# Altium PCB hoanchinh.PcbDoc
Units mm, origin at the board's own origin, x right, y up, seen from the top; angles counter-clockwise.
Board outline 68 x 87 mm, 2 copper layers (Top Layer, Bottom Layer), stack 0.533 mm thick; 132 components, 101 nets, 432 pads, 67 vias.
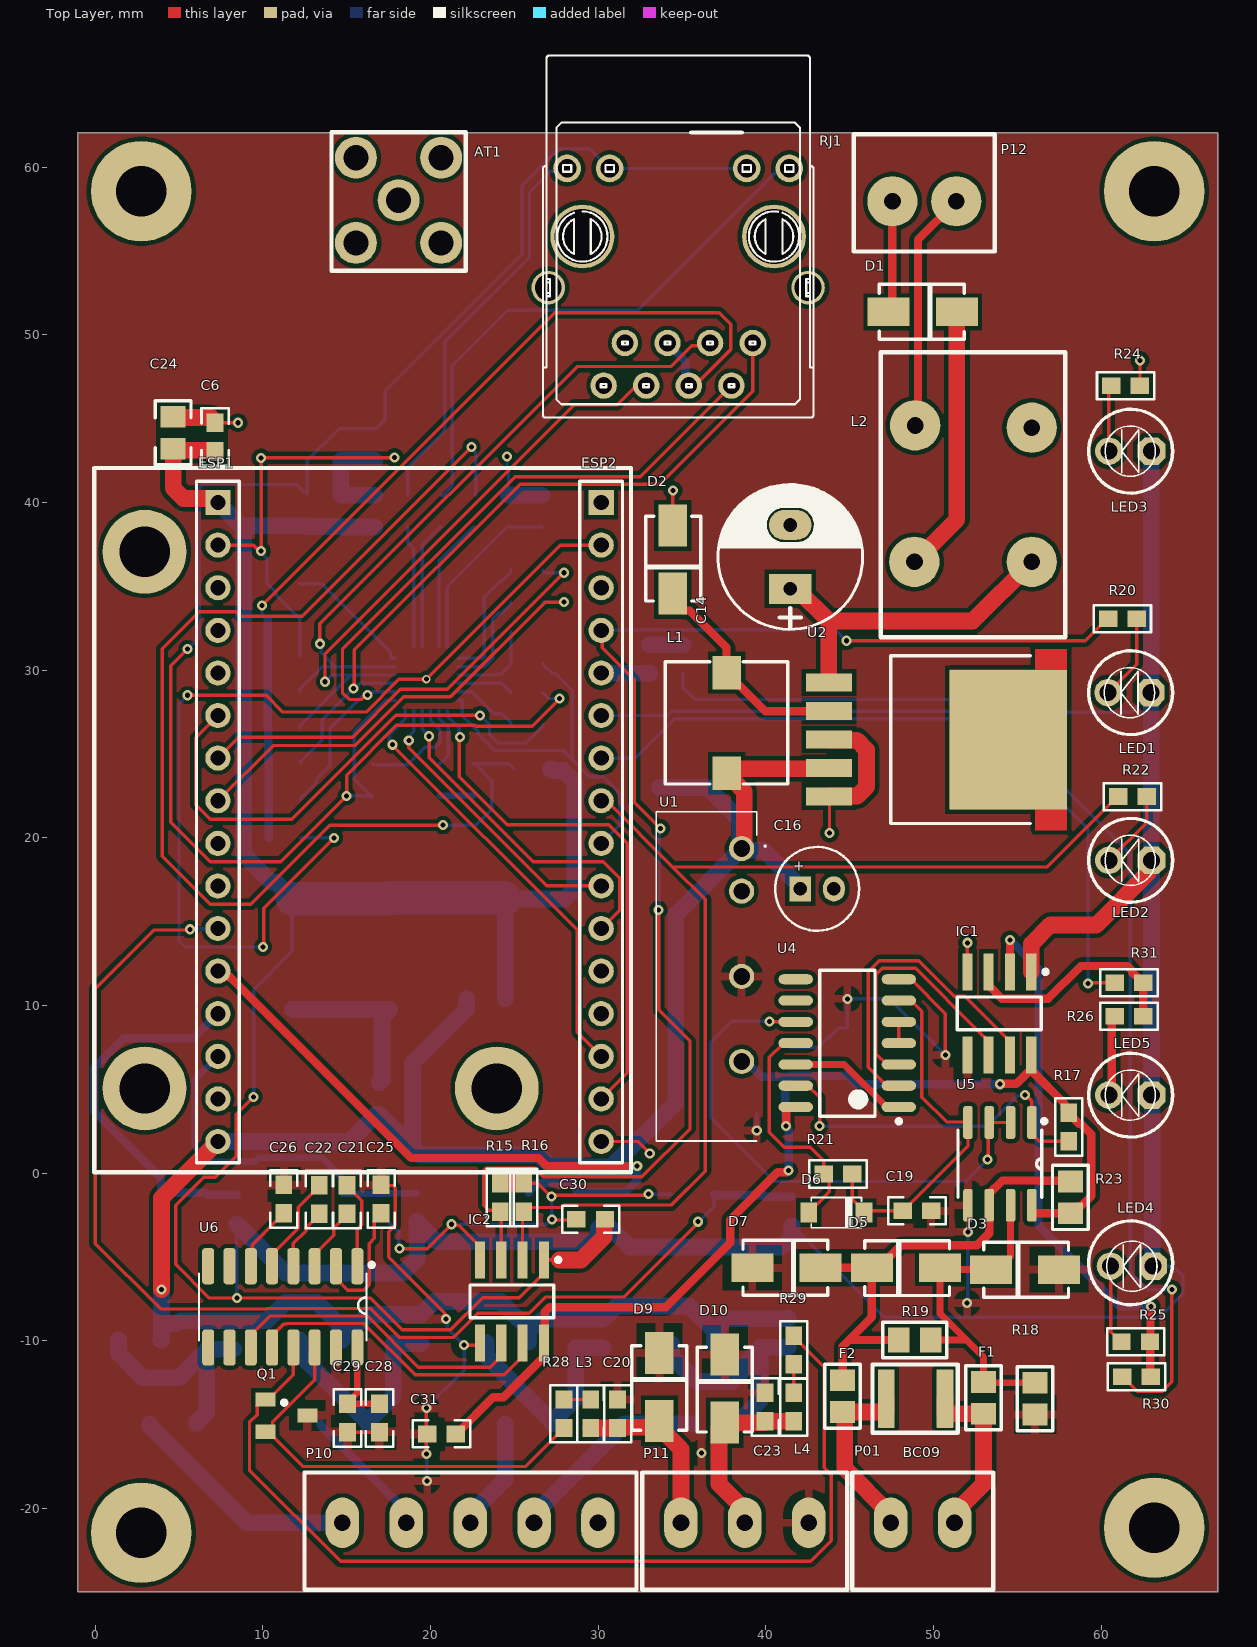
[diagram p0: Top Layer view]
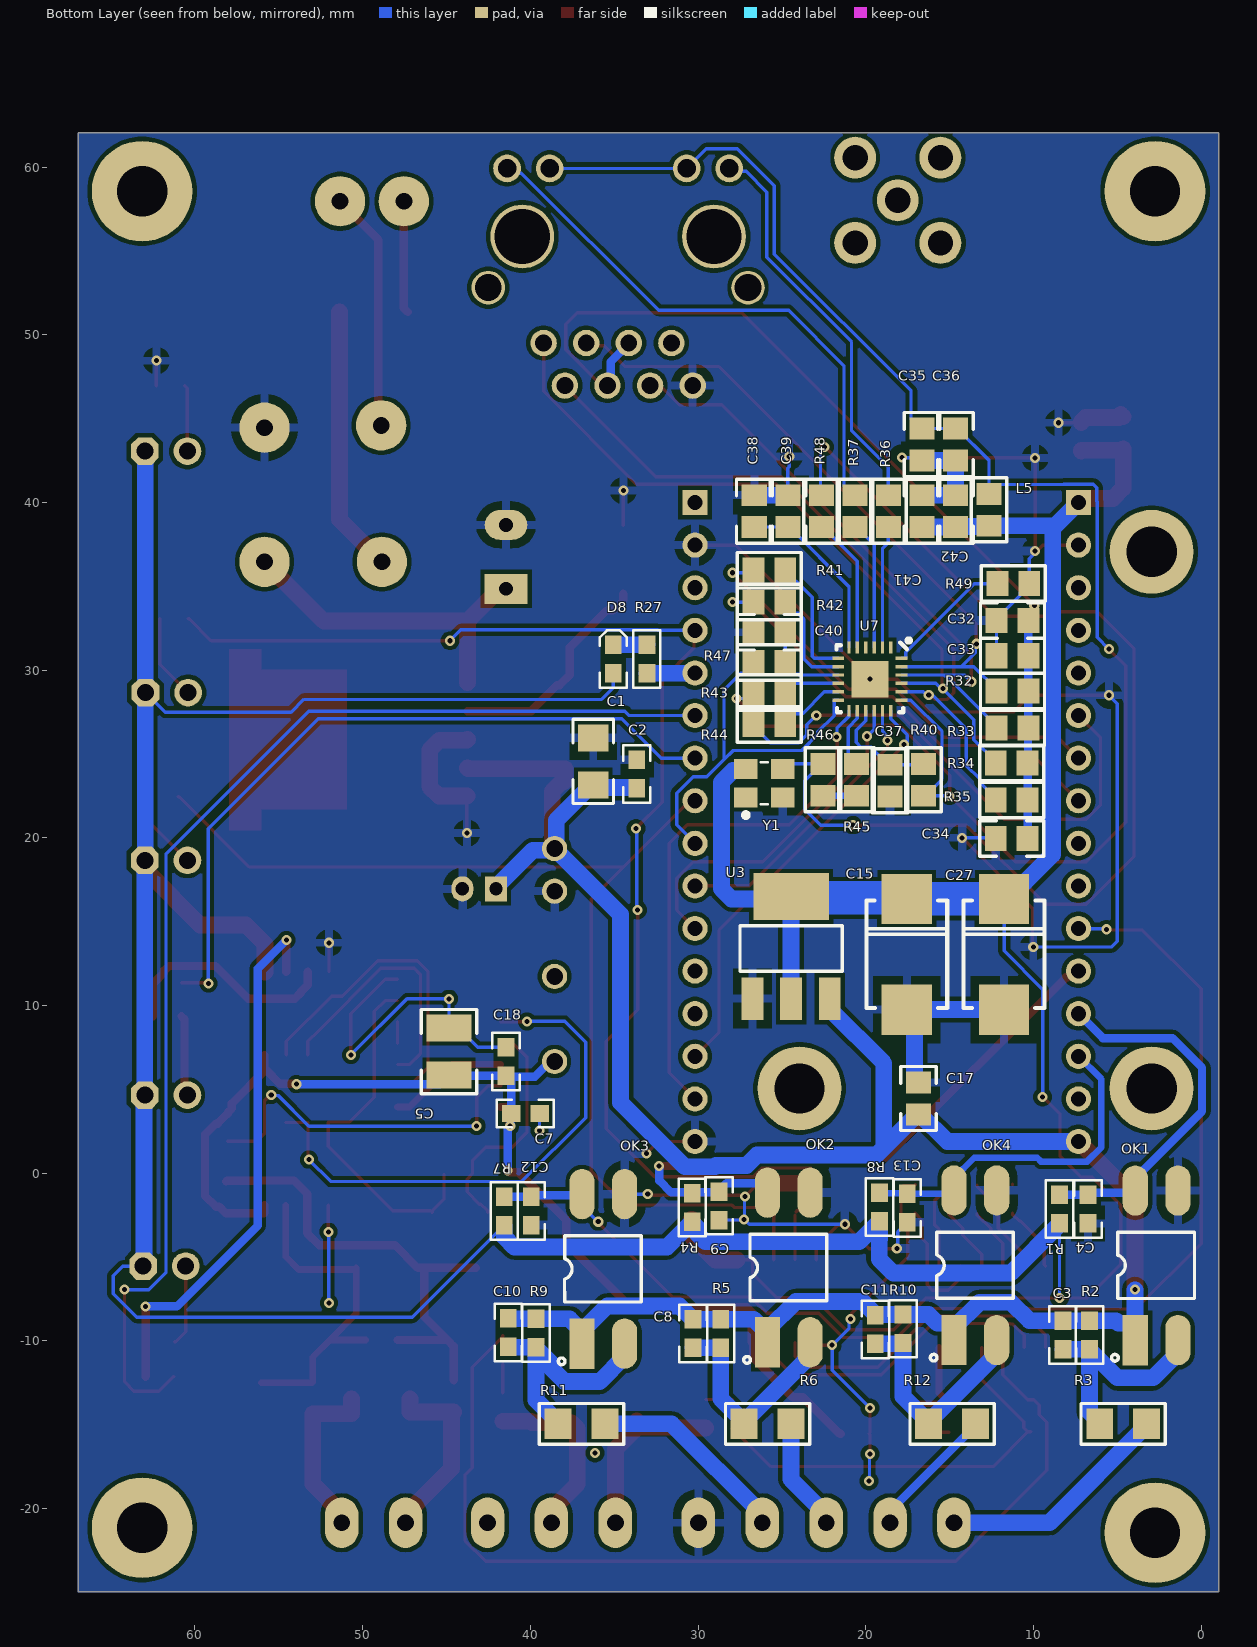
[diagram p1: Bottom Layer view, seen from below]
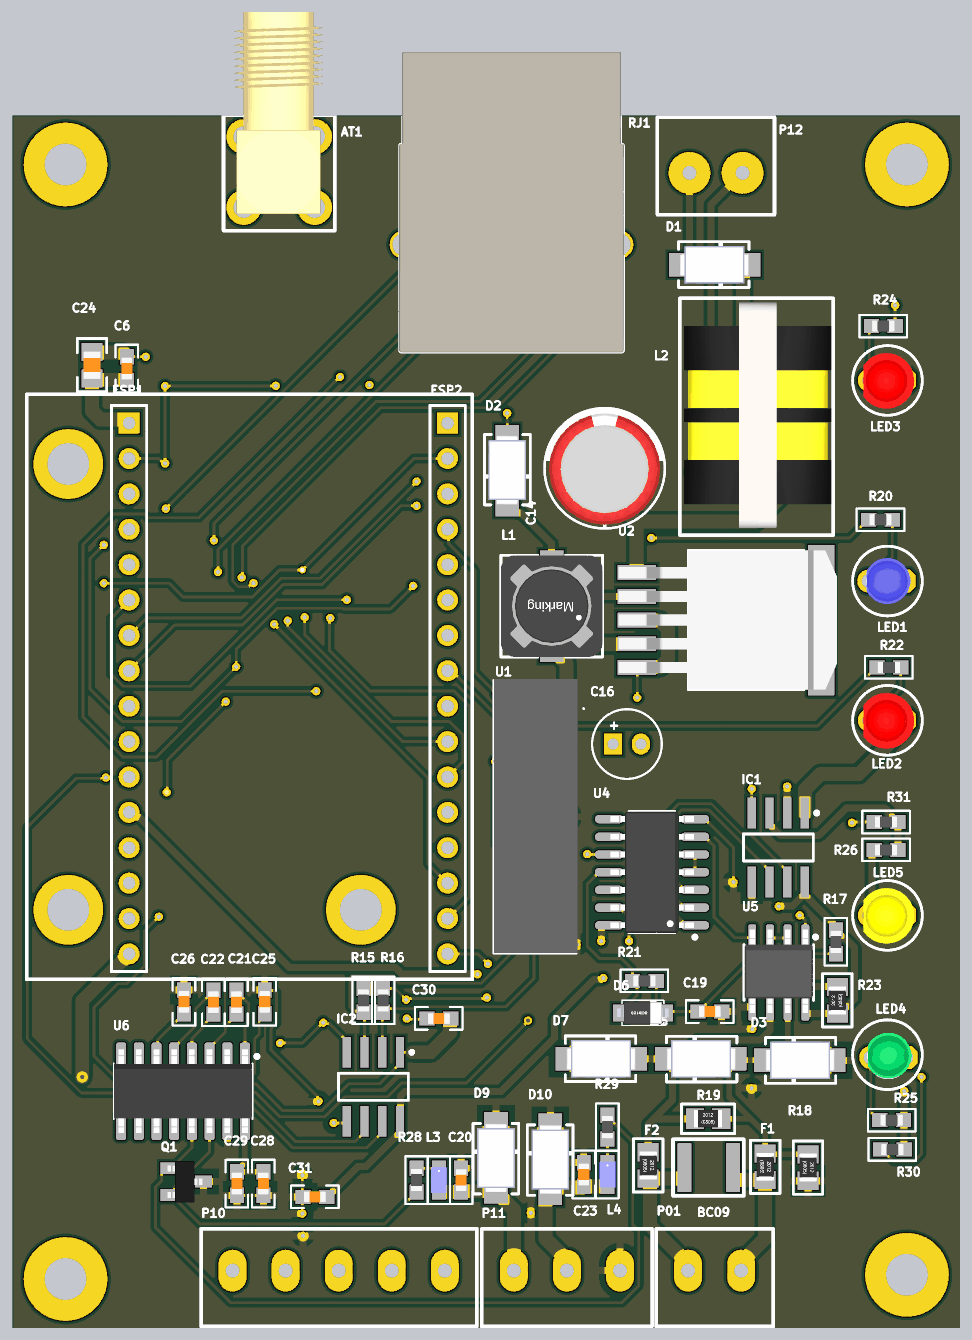
[diagram p2: 3D render of the assembled board from above, using the file's embedded part models]
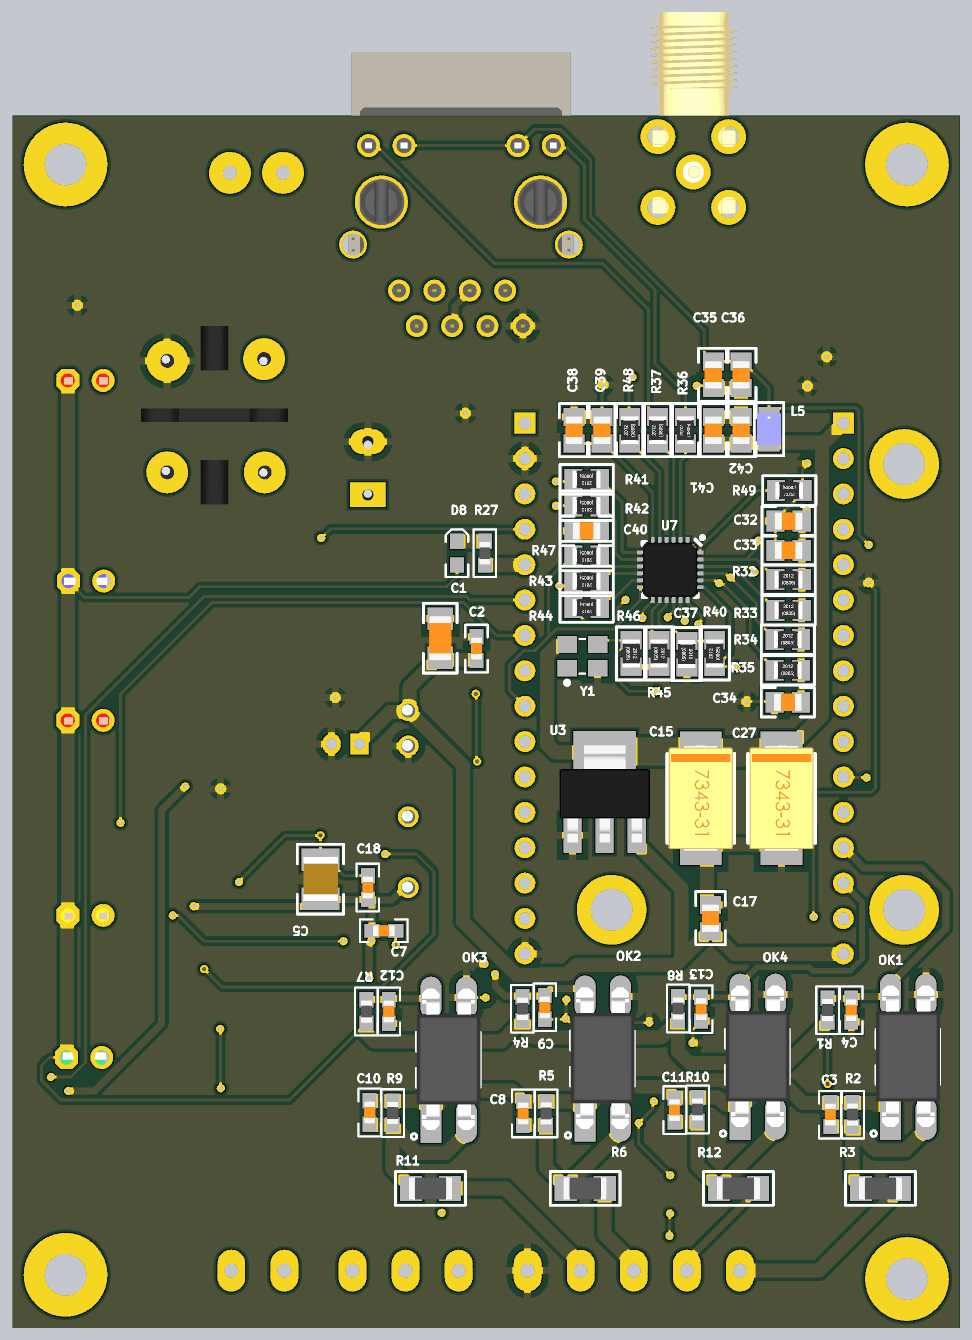
[diagram p3: 3D render of the assembled board from below, using the file's embedded part models]

## Layer stack, top to bottom
Top Solder: solder mask 0.0102, Solder Resist, Dk 3.5
Top Layer: signal copper 0.0356
Dielectric 2: prepreg 0.0711, Composite dielectric, Dk 4.56
Dielectric 1: prepreg 0.32, Composite dielectric, Dk 4.56
Dielectric 3: prepreg 0.0711, Composite dielectric, Dk 4.56
Bottom Layer: signal copper 0.0356
Bottom Solder: solder mask 0.0102, Solder Resist, Dk 3.5

## Board outline
-1.05,-24.945 -1.05,62.055 66.95,62.055 66.95,-24.945

## Design rules (kind name [scope] priority, off if disabled: settings)
Clearance [All] p1: gap=0.25 ignorepadtopadclearanceinfootprint=FALSE
PolygonConnect [All] p1: connectstyle=Relief reliefconductorwidth=0.5 reliefentries=4 polygonreliefangle="90 Angle" airgapwidth=0.5
RoutingVias [All] p1: holewidth=0.3 width=0.6 viastyle="Through Hole" minholewidth=0.3 minwidth=0.6 maxholewidth=0.3 maxwidth=0.6
SolderMaskExpansion [All] p1: expansion=0.102 istentingtop=FALSE
Width [All] p1: maxlimit=2 minlimit=0.2 preferedwidth=1
30 further rules are at their usual default settings.

## Classes and differential pairs
component class Myespsch: AT1 BC09 C1 C2 C3 C4 C5 C6 C7 C8 C9 C10 C11 C12 C13 C15 C16 C17 C18 C19 D1 D2 D3 D5 D6 D7 D8 F F1 F2 IC1 L1 L2 LED1 LED2 LED3 LED4 LED5 OK1 OK2 OK3 OK4 P01 P10 P11 P12 R1 R2 R3 R4 R5 R6 R7 R8 R9 R10 R11 R12 R15 R16 R17 R18 R19 R20 R21 R22 R23 R24 R25 R26 R27 U1 U2 U3 U4 U5
component class Myespsch1: C20 C21 C22 C23 C24 C25 C26 C27 C28 C29 C30 C31 C32 C33 C34 C35 C36 C37 C38 C39 C40 C41 C42 D9 D10 ESP1 ESP2 IC2 L3 L4 L5 L? Q1 R28 R29 R30 R31 R32 R33 R34 R35 R36 R37 R41 R42 R43 R44 R45 R46 R47 R48 R49 RJ1 RJ? U6 U7 U? XT? Y1

## Components (designator, comment, footprint, x,y, rotation, side; value= is the part's Value field where it differs from the comment)
AT1 "AT-GSM-GPS" "ANTENA - SMA2" 18.09,58.015 r90 top
BC09 "BC091" BC091 50.673,-13.445 r270 top (schematic designator d)
C1 "10uF 1206" "CAPC-1206 (3216)" 36.25,24.555 r270 bottom value=106/50V
C2 "100nF" "CAPC-0603 (1608)" 33.65,23.805 r270 bottom value=104/50V
C3 "100nF" "CAPC-0603 (1608)" 8.244,-9.647 r90 bottom value=104/50V
C4 "100nF" "CAPC-0603 (1608)" 6.75,-2.145 r90 bottom value=104/50V
C5 "10uF/16V" "CAPC-1210 (3225)" 44.85,7.255 r90 bottom value=105/50V
C6 "100nF" "CAPC-0603 (1608)" 7.15,43.905 r90 top value=104/50V
C7 "100nF" "CAPC-0603 (1608)" 40.3,3.555 r0 bottom value=104/50V
C8 "100nF" "CAPC-0603 (1608)" 30.302,-9.559 r90 bottom value=104/50V
C9 "100nF" "CAPC-0603 (1608)" 28.75,-1.945 r90 bottom value=104/50V
C10 "100nF" "CAPC-0603 (1608)" 41.316,-9.493 r90 bottom value=104/50V
C11 "100nF" "CAPC-0603 (1608)" 19.429,-9.316 r90 bottom value=104/50V
C12 "100nF" "CAPC-0603 (1608)" 39.95,-2.245 r90 bottom value=104/50V
C13 "100nF" "CAPC-0603 (1608)" 17.524,-2.077 r90 bottom value=104/50V
C14 "100uF/50V" CP1.5/3.4 41.45,34.845 r90 top value=1000uF/16V
C15 "100uF/16V" CAP_TANTAL_2917(7343-31) 17.55,13.055 r270 bottom value=227/10V
C16 "470uF/25V" CAP_ALUM_D050_S20_H110 43.05,16.955 r0 top value=106/50V
C17 "100nF/0805" "CAPC-0805 (2012)" 16.85,4.455 r90 bottom value=104/50V
C18 "104/50V" "CAPC-0603 (1608)" 41.45,6.655 r90 bottom
C19 "100nF" "CAPC-0603 (1608)" 49,-2.245 r0 top value=104/50V
C20 "100nF" "CAPC-0603 (1608)" 31.15,-14.345 r270 top value=104/50V
C21 "104/50V" "CAPC-0603 (1608)" 15.018,-1.572 r90 top
C22 "104/50V" "CAPC-0603 (1608)" 13.367,-1.572 r90 top
C23 "100nF" "CAPC-0603 (1608)" 39.95,-13.945 r90 top value=104/50V
C24 "100nF/0805" "CAPC-0805 (2012)" 4.65,44.155 r270 top value=225/10V
C25 "104/50V" "CAPC-0603 (1608)" 17.05,-1.545 r270 top
C26 "104/50V" "CAPC-0603 (1608)" 11.25,-1.545 r90 top
C27 "107/16V" CAP_TANTAL_2917(7343-31) 11.75,13.055 r270 bottom
C28 "104/50V" "CAPC-0603 (1608)" 16.95,-14.595 r90 top
C29 "104/50V" "CAPC-0603 (1608)" 15.05,-14.595 r90 top
C30 "100nF" "CAPC-0603 (1608)" 29.55,-2.745 r180 top value=104/50V
C31 "100nF" "CAPC-0603 (1608)" 20.65,-15.545 r0 top value=104/50V
C32 "100nF" "CAPC-0805 (2012)" 11.25,32.955 r0 bottom value="100pF, 2012"
C33 "100nF" "CAPC-0805 (2012)" 11.25,30.855 r0 bottom value="100pF, 2012"
C34 "22nF" "CAPC-0805 (2012)" 11.3,19.955 r0 bottom value="100pF, 2012"
C35 "100nF" "CAPC-0805 (2012)" 16.65,43.455 r270 bottom value="100pF, 2012"
C36 "100nF" "CAPC-0805 (2012)" 14.65,43.455 r270 bottom value="100pF, 2012"
C37 "100nF" "RESC-0805 (2012)"#1 18.55,23.405 r270 bottom value="100pF, 2012"
C38 "10uF" "CAPC-0805 (2012)" 26.644,39.48 r90 bottom value="100pF, 2012"
C39 "470pF" "CAPC-0805 (2012)" 24.645,39.48 r90 bottom value="100pF, 2012"
C40 "10uF" "CAPC-0805 (2012)" 25.75,32.255 r0 bottom value="100pF, 2012"
C41 "100nF" "CAPC-0805 (2012)" 16.649,39.48 r90 bottom value="100pF, 2012"
C42 "10uF" "CAPC-0805 (2012)" 14.65,39.48 r90 bottom value="100pF, 2012"
D1 "SS34" DIODE_DO214AC_SMA#1 49.35,51.355 r180 top
D2 "SS24" DIODE_DO214AC_SMA#2 34.45,36.588 r270 top value=SS34
D3 "SMAJ5.0A-E3/61" DIODE_DO214AC_SMA#2 55.45,-5.745 r180 top
D5 "SMAJ5.0A-E3/61" DIODE_DO214AC_SMA#2 48.35,-5.645 r180 top
D6 "1N4148" SOD-123 44.198,-2.345 r270 top value=100V/300MA
D7 "SMAJ5.0A-E3/61" DIODE_DO214AC_SMA#2 41.218,-5.645 r0 top
D8 "WHITE" LED_0603_WHITE 35.051,30.655 r90 bottom
D9 "smaj12a" DIODE_DO214AC_SMA#2 33.65,-12.745 r90 top
D10 "smaj12a" DIODE_DO214AC_SMA#2 37.55,-12.845 r90 top
ESP1 "Header 16" HDR1X16 7.315,39.99 r270 top
ESP2 "Header 16" HDR1X16 30.175,39.99 r270 top
F1 "" "RESC-0805 (2012)"#1 52.973,-13.395 r270 top value=MF-RX250/72-2
F2 "" "RESC-0805 (2012)"#1 44.573,-13.295 r270 top value=MF-RX250/72-2
IC1 "ADUMI1201" SOIC-8#1 53.915,9.53 r270 top
IC2 "ADUMI1201" SOIC-8#1 24.85,-7.645 r270 top
L1 "2.2uH/700mA" L-SMD-M-7.3x4.5 37.65,26.855 r0 top
L2 "1.5A/1KOHM" "AC LINE" 48.85,36.455 r90 top
L3 "600R 100MHz" "IND-0603 (1608)" 29.55,-14.345 r270 top value=2.2uH/700mA
L4 "600R 100MHz" "IND-0603 (1608)" 41.65,-13.945 r270 top value=2.2uH/700mA
L5 "FERRITE BEAD" "IND-0805 (2012)" 12.65,39.555 r270 bottom value=600OHM/200mA
LED1 "LED" LED-3MM-BLUE 61.55,28.655 r180 top value="LED 3 ly Single Colour"
LED2 "LED" LED-3MM-RED 62.99,18.655 r180 top value="LED 3 ly Single Colour"
LED3 "LED" LED-3MM-RED 62.99,43.055 r180 top value="LED 3 ly Single Colour"
LED4 "LED" LED-3MM-GREEN 63.09,-5.545 r180 top value="LED 3 ly Single Colour"
LED5 "LED" LED-3MM-YELLOW 62.99,4.655 r180 top value="LED 3 ly Single Colour"
OK1 "70V/50mA" "OPTO TRANSISTOR_SMD-4" 2.656,-5.495 r90 bottom
OK2 "70V/50mA" "OPTO TRANSISTOR_SMD-4" 24.587,-5.622 r90 bottom
OK3 "70V/50mA" "OPTO TRANSISTOR_SMD-4" 35.647,-5.707 r90 bottom
OK4 "70V/50mA" "OPTO TRANSISTOR_SMD-4" 13.46,-5.491 r90 bottom
P01 "head 2" "head 2"#1 51.25,-20.845 r270 top
P10 "head 5" "head 5" 29.98,-20.845 r270 top
P11 "head 3" "head 3" 42.55,-20.845 r270 top
P12 "head 2" "head 2"#2 47.54,57.955 r90 top
Q1 "PESD15VL2BT" SOT23 11.4,-14.44 r270 top
R1 "4K7" "RESC-0603 (1608)" 8.45,-2.145 r270 bottom
R2 "10K" "RESC-0603 (1608)" 6.659,-9.647 r90 bottom
R3 "2.2K" "RESC-1206 (3216)" 4.65,-14.945 r0 bottom value=0R
R4 "4K7" "RESC-0603 (1608)" 30.35,-2.045 r270 bottom
R5 "10K" "RESC-0603 (1608)" 28.651,-9.559 r90 bottom
R6 "2.2K" "RESC-1206 (3216)" 25.85,-14.945 r0 bottom value=0R
R7 "4K7" "RESC-0603 (1608)" 41.55,-2.245 r270 bottom
R8 "4K7" "RESC-0603 (1608)" 19.175,-2.026 r270 bottom
R9 "10K" "RESC-0603 (1608)" 39.665,-9.532 r90 bottom
R10 "10K" "RESC-0603 (1608)" 17.778,-9.277 r90 bottom
R11 "2.2K" "RESC-1206 (3216)" 36.95,-14.945 r0 bottom value=0R
R12 "2.2K" "RESC-1206 (3216)" 14.85,-14.945 r0 bottom value=0R
R15 "4K7" "RESC-0603 (1608)" 24.15,-1.445 r270 top
R16 "4K7" "RESC-0603 (1608)" 25.55,-1.445 r270 top
R17 "1k" "RESC-0603 (1608)" 58.05,2.755 r90 top value=4K7
R18 "4.7K" "RESC-0805 (2012)"#1 56.05,-13.445 r270 top value=10K
R19 "120R" "RESC-0805 (2012)"#1 48.873,-9.945 r0 top value=10K
R20 "1K" "RESC-0603 (1608)" 61.25,33.055 r180 top value=10K
R21 "1k" "RESC-0603 (1608)" 44.3,-0.045 r180 top value=4K7
R22 "1K" "RESC-0603 (1608)" 61.85,22.455 r180 top value=10K
R23 "4.7K" "RESC-0805 (2012)"#1 58.15,-1.445 r90 top value=10K
R24 "1k" "RESC-0603 (1608)" 61.45,46.955 r0 top value=10K
R25 "1k" "RESC-0603 (1608)" 62.05,-10.045 r0 top value=10K
R26 "1K" "RESC-0603 (1608)" 61.65,9.355 r0 top value=10K
R27 "1K" "RESC-0603 (1608)" 33.05,30.655 r270 bottom value=10K
R28 "1K" "RESC-0603 (1608)" 27.95,-14.345 r90 top value=4K7
R29 "1K" "RESC-0603 (1608)" 41.65,-10.545 r270 top value=4K7
R30 "20R" "RESC-0603 (1608)" 62.1,-12.145 r0 top
R31 "20R" "RESC-0603 (1608)" 61.65,11.355 r0 top
R32 "50R" "RESC-0805 (2012)"#1 11.25,28.755 r180 bottom
R33 "50R" "RESC-0805 (2012)"#1 11.25,26.555 r180 bottom
R34 "50R" "RESC-0805 (2012)"#1 11.3,24.455 r180 bottom
R35 "50R" "RESC-0805 (2012)"#1 11.3,22.255 r180 bottom
R36 "330R" "RESC-0805 (2012)"#1 18.648,39.48 r90 bottom
R37 "330R" "RESC-0805 (2012)"#1 20.647,39.48 r90 bottom
R40 "4K7" "RESC-0805 (2012)"#1 16.55,23.455 r90 bottom
R41 "10R" "RESC-0805 (2012)"#1 25.75,35.955 r0 bottom
R42 "10R" "RESC-0805 (2012)"#1 25.75,34.055 r0 bottom
R43 "10R" "RESC-0805 (2012)"#1 25.75,28.655 r0 bottom
R44 "10R" "RESC-0805 (2012)"#1 25.75,26.755 r0 bottom
R45 "33R" "RESC-0805 (2012)"#2 20.55,23.455 r270 bottom
R46 "33R" "RESC-0805 (2012)"#1 22.55,23.455 r270 bottom
R47 "1k5" "RESC-0805 (2012)"#1 25.75,30.455 r0 bottom
R48 "33R" "RESC-0805 (2012)"#1 22.646,39.48 r90 bottom
R49 "12K" "RESC-0805 (2012)"#1 11.2,35.155 r0 bottom
RJ1 "RJ45" "CON JR45" 39.21,49.505 r180 top
U1 "B0505LS-1W" B0505LS1WR3 38.55,19.355 r270 top
U2 "LM2596S-ADJ" TO263-5 43.75,25.855 r270 top
U3 "TLV1117-5.0V" SOT-223-4 24.45,13.455 r180 bottom value=TLV1117-50
U4 "7414" SOIC14 44.85,7.755 r180 top
U5 "MAX3485" SOIC-8#2 53.95,0.555 r180 top value=MAX485
U6 "MAX 232" SOIC-16 11.185,-7.97 r180 top
U7 "LAN8720A" 24-VFQFN 19.749,29.457 r270 bottom
Y1 "OSC25M" CRYSTALL_SMD_3225 26.05,23.255 r180 bottom

## Footprints (in the part's own frame and the unit in brackets; to place one, negate y for a bottom-side part, rotate by r counter-clockwise, add the part's x,y. Pads: shape width x height; smd on the part's side, far side on the other; paste and mask are expansions set on the pad)
24-VFQFN [mm] "VFQFN, 24-lead, Body 4x4 mm, 0.5 mm pitch,IPC High Density"
  rect 0.7x0.2 smd mask+0.114: 1(-1.888,1.25) 2(-1.888,0.75) 3(-1.888,0.25) 4(-1.888,-0.25) 5(-1.888,-0.75) 6(-1.888,-1.25) 13(1.887,-1.25) 14(1.887,-0.75) 15(1.887,-0.25) 16(1.887,0.25) 17(1.887,0.75) 18(1.887,1.25)
  rect 0.2x0.7 smd mask+0.114: 7(-1.25,-1.887) 8(-0.75,-1.887) 9(-0.25,-1.887) 10(0.25,-1.887) 11(0.75,-1.887) 12(1.25,-1.887) 19(1.25,1.888) 20(0.75,1.888) 21(0.25,1.888) 22(-0.25,1.888) 23(-0.75,1.888) 24(-1.25,1.888)
  rect 0.85x0.28 on Bottom Paste: ""(-1.95,-1.25) ""(-1.95,-0.75) ""(-1.95,-0.25) ""(-1.95,0.25) ""(-1.95,0.75) ""(-1.95,1.25) ""(1.95,-1.25) ""(1.95,-0.75) ""(1.95,-0.25) ""(1.95,0.25) ""(1.95,0.75) ""(1.95,1.25)
  rect 0.28x0.85 on Bottom Paste: ""(-1.25,-1.95) ""(-1.25,1.95) ""(-0.75,-1.95) ""(-0.75,1.95) ""(-0.25,-1.95) ""(-0.25,1.95) ""(0.25,-1.95) ""(0.25,1.95) ""(0.75,-1.95) ""(0.75,1.95) ""(1.25,-1.95) ""(1.25,1.95)
  rect 2.2x2.2 smd paste-3.2: ""(0.002,-0.001)
  silkscreen extent -2.44,-2 1.97,2.44, body extent -2.01,-2.01 2.01,2.01, height 1
"AC LINE" [mm]
  round 3 hole 1: 1(0,0) 2(0,-7) 3(8,-7) 4(8.134,-0.047)
  silkscreen extent -4.5,-9 12.5,2, body extent -3.98,-8.9 12.18,1.7, height 13.96
"ANTENA - SMA2" [mm]
  round 2.5 hole 1.5: 1(0,0) 2(-2.54,-2.54) 2(-2.54,2.54) 2(2.54,-2.54) 2(2.54,2.54)
  silkscreen extent -4.2,-4 4.06,4, body extent -3,-3.15 11.5,3.25, height 9.7
B0505LS1WR3 [mm]
  round 1.5 hole 1: 1(0,0) 2(2.54,0) 4(7.62,0) 6(12.7,0)
  silkscreen extent -2.21,-5.1 17.44,1.45, body extent -2.25,-5.03 17.4,0.97, height 10.51
BC091 [mm]
  rrect10% 3.5x1 smd: 1(0,0) 2(0,-3.5)
  silkscreen extent -2.03,-4.32 2.03,0.76
CAP_ALUM_D050_S20_H110 [mm]
  rect 1.3x1.5 hole 0.8: 1(-1,0)
  oval 1.3x1.5 hole 0.8: 2(1,0)
  silkscreen extent -2.5,-2.5 2.5,2.5, body extent -2.5,-2.5 2.5,2.5, height 11
CAP_TANTAL_2917(7343-31) [mm] "Chip capacitor, Body 6.0x3.2mm, IPC High Density"
  rect 3x3 smd: 1(-3.3,0) 2(3.3,0)
  silkscreen extent -3.2,-2.41 3.2,2.41, body extent -3.8,-2.3 3.8,2.3, height 3.1
"CAPC-0603 (1608)" [mm] "Resistor, Chip; 1.60 mm L X 0.80 mm W X 0.50 mm H body"
  rect 1.1x1 smd mask+0.1: 1(-0.85,0) 2(0.85,0)
  silkscreen extent -1.71,-0.81 1.71,0.81, body extent -0.8,-0.4 0.8,0.4, height 0.6
"CAPC-0805 (2012)" [mm] "Resistor, Chip; 2.00 mm L X 1.25 mm W X 0.70 mm H body"
  rect 1.3x1.5 smd: 1(-0.95,0) 2(0.95,0)
  silkscreen extent -1.91,-1.06 1.91,1.06, body extent -1,-0.62 1,0.63, height 0.7
"CAPC-1206 (3216)" [mm] "Resistor, Chip; 3.10 mm L X 1.60 mm W X 0.90 mm H body"
  rect 1.6x1.8 smd: 1(-1.4,0) 2(1.4,0)
  silkscreen extent -2.51,-1.21 2.51,1.21, body extent -1.6,-0.8 1.6,0.8, height 0.75
"CAPC-1210 (3225)" [mm] "Resistor, Chip; 3.10 mm L X 2.60 mm W X 0.90 mm H body"
  rect 1.6x2.7 smd: 1(-1.4,0) 2(1.4,0)
  silkscreen extent -2.51,-1.66 2.51,1.66, body extent -1.59,-1.26 1.61,1.24, height 1.3
"CON JR45" [mm]
  round 1.575 hole 1: 1(0,0) 2(1.27,2.54) 3(2.54,0) 4(3.81,2.54) 5(5.08,0) 6(6.35,2.54) 7(7.62,0) 8(8.89,2.54)
  round 1.65 hole 1.1: 9(0.36,-10.41) 10(-2.18,-10.41) 11(11.07,-10.41) 12(8.53,-10.41)
  round 3.81 hole 3.3: HM1(-1.27,-6.35) HM2(10.16,-6.35)
  round 2 hole 1.6: HM3(-3.3,-3.3) HM4(12.19,-3.3)
  silkscreen extent -3.62,-17.14 12.51,4.45, body extent -3.62,-17.14 12.51,4.45, height 13.84
CP1.5/3.4 [mil] "Tu hoa 220->470uF,16V, 470uF/16V,25V"
  rect 70x100 hole 32: 1(0,0)
  oval 70x100 hole 32: 2(150,0)
  silkscreen extent -95,-170 245,170, body extent -85,-157 230,157, height 446
CRYSTALL_SMD_3225 [mm]
  rect 1.4x1.2 smd: 1(-1.1,-0.85) 2(1.1,-0.85) 3(1.1,0.85) 4(-1.1,0.85)
  silkscreen extent -1.24,-2.04 0.2,1.25, body extent -1.6,-1.25 1.6,1.25, height 0.61
DIODE_DO214AC_SMA#1 [mm] "Diode 2214AC- SMA type"
  rect 2.5x1.7 smd: 1(2.032,0) 2(-2.032,0)
  silkscreen extent -2.46,-1.7 2.59,1.63, body extent -2.47,-1.35 2.53,1.35, height 2.25
DIODE_DO214AC_SMA#2 [mm] "Diode 2214AC- SMA type"
  rect 2.5x1.7 smd: 1(-2.032,0) 2(2.032,0)
  silkscreen extent -2.59,-1.63 2.46,1.7, body extent -2.53,-1.35 2.47,1.35, height 2.25
HDR1X16 [mm] "Connector; Header; 16 Position"
  rect 1.5x1.5 hole 0.9: 1(0,0)
  round 1.5 hole 0.9: 2(2.54,0) 3(5.08,0) 4(7.62,0) 5(10.16,0) 6(12.7,0) 7(15.24,0) 8(17.78,0) 9(20.32,0) 10(22.86,0) 11(25.4,0) 12(27.94,0) 13(30.48,0) 14(33.02,0) 15(35.56,0) 16(38.1,0)
  silkscreen extent -1.27,-1.27 39.37,1.27
"head 2"#1 [mm]
  oval 3x2 hole 1: 1(0,0) 2(0,-3.81)
  silkscreen extent -3,-6.1 4,2.3
"head 2"#2 [mm]
  round 3 hole 1: 1(0,0) 2(0,-3.81)
  silkscreen extent -3,-6.1 4,2.3
"head 3" [mm]
  oval 3x2 hole 1: 1(0,0) 2(0,-3.81) 3(0,-7.62)
  silkscreen extent -3,-9.93 4,2.3
"head 5" [mm]
  oval 3x2 hole 1: 1(0,0) 2(0,-3.81) 3(0,-7.62) 4(0,-11.43) 5(0,-15.24)
  silkscreen extent -3,-17.5 4,2.3
"IND-0603 (1608)" [mm] "Resistor, Chip; 1.60 mm L X 0.80 mm W X 0.50 mm H body"
  rect 1.1x1 smd mask+0.1: 1(-0.85,0) 2(0.85,0)
  silkscreen extent -1.71,-0.81 1.71,0.81, body extent -0.92,-0.56 0.92,0.56, height 0.9
"IND-0805 (2012)" [mm] "Resistor, Chip; 2.00 mm L X 1.25 mm W X 0.70 mm H body"
  rect 1.3x1.5 smd: 1(-0.95,0) 2(0.95,0)
  silkscreen extent -1.91,-1.06 1.91,1.06, body extent -1.14,-0.86 1.15,0.87, height 1.51
L-SMD-M-7.3x4.5 [mm] "WE-PDA SMD Shielded Power Inductor, 7345"
  rect 1.7x2 smd: 1(0,3) 2(0,-3)
  silkscreen extent -3.65,-3.65 3.65,3.65, body extent -3.65,-3.65 3.65,3.65, height 4.05
LED-3MM-BLUE [mil]
  oct 65x65 hole 40: 1(-55,0)
  round 65 hole 40: 2(45,0)
  silkscreen extent -64,-59 54,59, body extent -72,-65 54,65, height 184
LED-3MM-GREEN [mil]
  oct 65x65 hole 40: 1(0,0)
  round 65 hole 40: 2(100,0)
  silkscreen extent -9,-59 109,59, body extent -15,-70 112,60, height 182
LED-3MM-RED [mil]
  oct 65x65 hole 40: 1(0,0)
  round 65 hole 40: 2(100,0)
  silkscreen extent -9,-59 109,59, body extent -27,-77 117,80, height 181
LED-3MM-YELLOW [mil]
  oct 65x65 hole 40: 1(0,0)
  round 65 hole 40: 2(100,0)
  silkscreen extent -9,-59 109,59, body extent -27,-77 117,80, height 181
LED_0603_WHITE [mm] "LED SMD; Body 1.6 x 0.8 mm (LxW typ)"
  rect 1.1x1 smd mask+0.1: 1(-0.851,0) 2(0.849,0)
  silkscreen extent -1.71,-0.81 1.71,0.81, body extent -0.8,-0.4 0.8,0.4, height 0.75
"OPTO TRANSISTOR_SMD-4" [mm]
  rect 3x1.5 smd: 1(-4.46,1.27)
  oval 3x1.5 smd: 2(-4.46,-1.27) 3(4.46,-1.27) 4(4.46,1.27)
  silkscreen extent -5.71,-2.26 1.97,2.69, body extent -5.05,-2.29 5.11,2.3, height 3.85
"RESC-0603 (1608)" [mm] "Resistor, Chip; 1.60 mm L X 0.80 mm W X 0.50 mm H body"
  rect 1.1x1 smd mask+0.1: 1(-0.85,0) 2(0.85,0)
  silkscreen extent -1.71,-0.81 1.71,0.81, body extent -0.8,-0.4 0.8,0.4, height 0.5
"RESC-0805 (2012)"#1 [mm] "Resistor, Chip; 2.00 mm L X 1.25 mm W X 0.70 mm H body"
  rect 1.3x1.5 smd: 1(-0.95,0) 2(0.95,0)
  silkscreen extent -1.91,-1.06 1.91,1.06, body extent -1,-0.62 1,0.63, height 0.45
"RESC-0805 (2012)"#2 [mm] "Resistor, Chip; 2.00 mm L X 1.25 mm W X 0.70 mm H body"
  rect 1.3x1.5 smd: 1(-0.95,0) ""(0.95,0)
  silkscreen extent -1.91,-1.06 1.91,1.06, body extent -1,-0.62 1,0.63, height 0.45
"RESC-1206 (3216)" [mm] "Resistor, Chip; 3.10 mm L X 1.60 mm W X 0.90 mm H body"